# KiCad board Encoder_SPI_AS5047P_panel.kicad_pcb (continued)
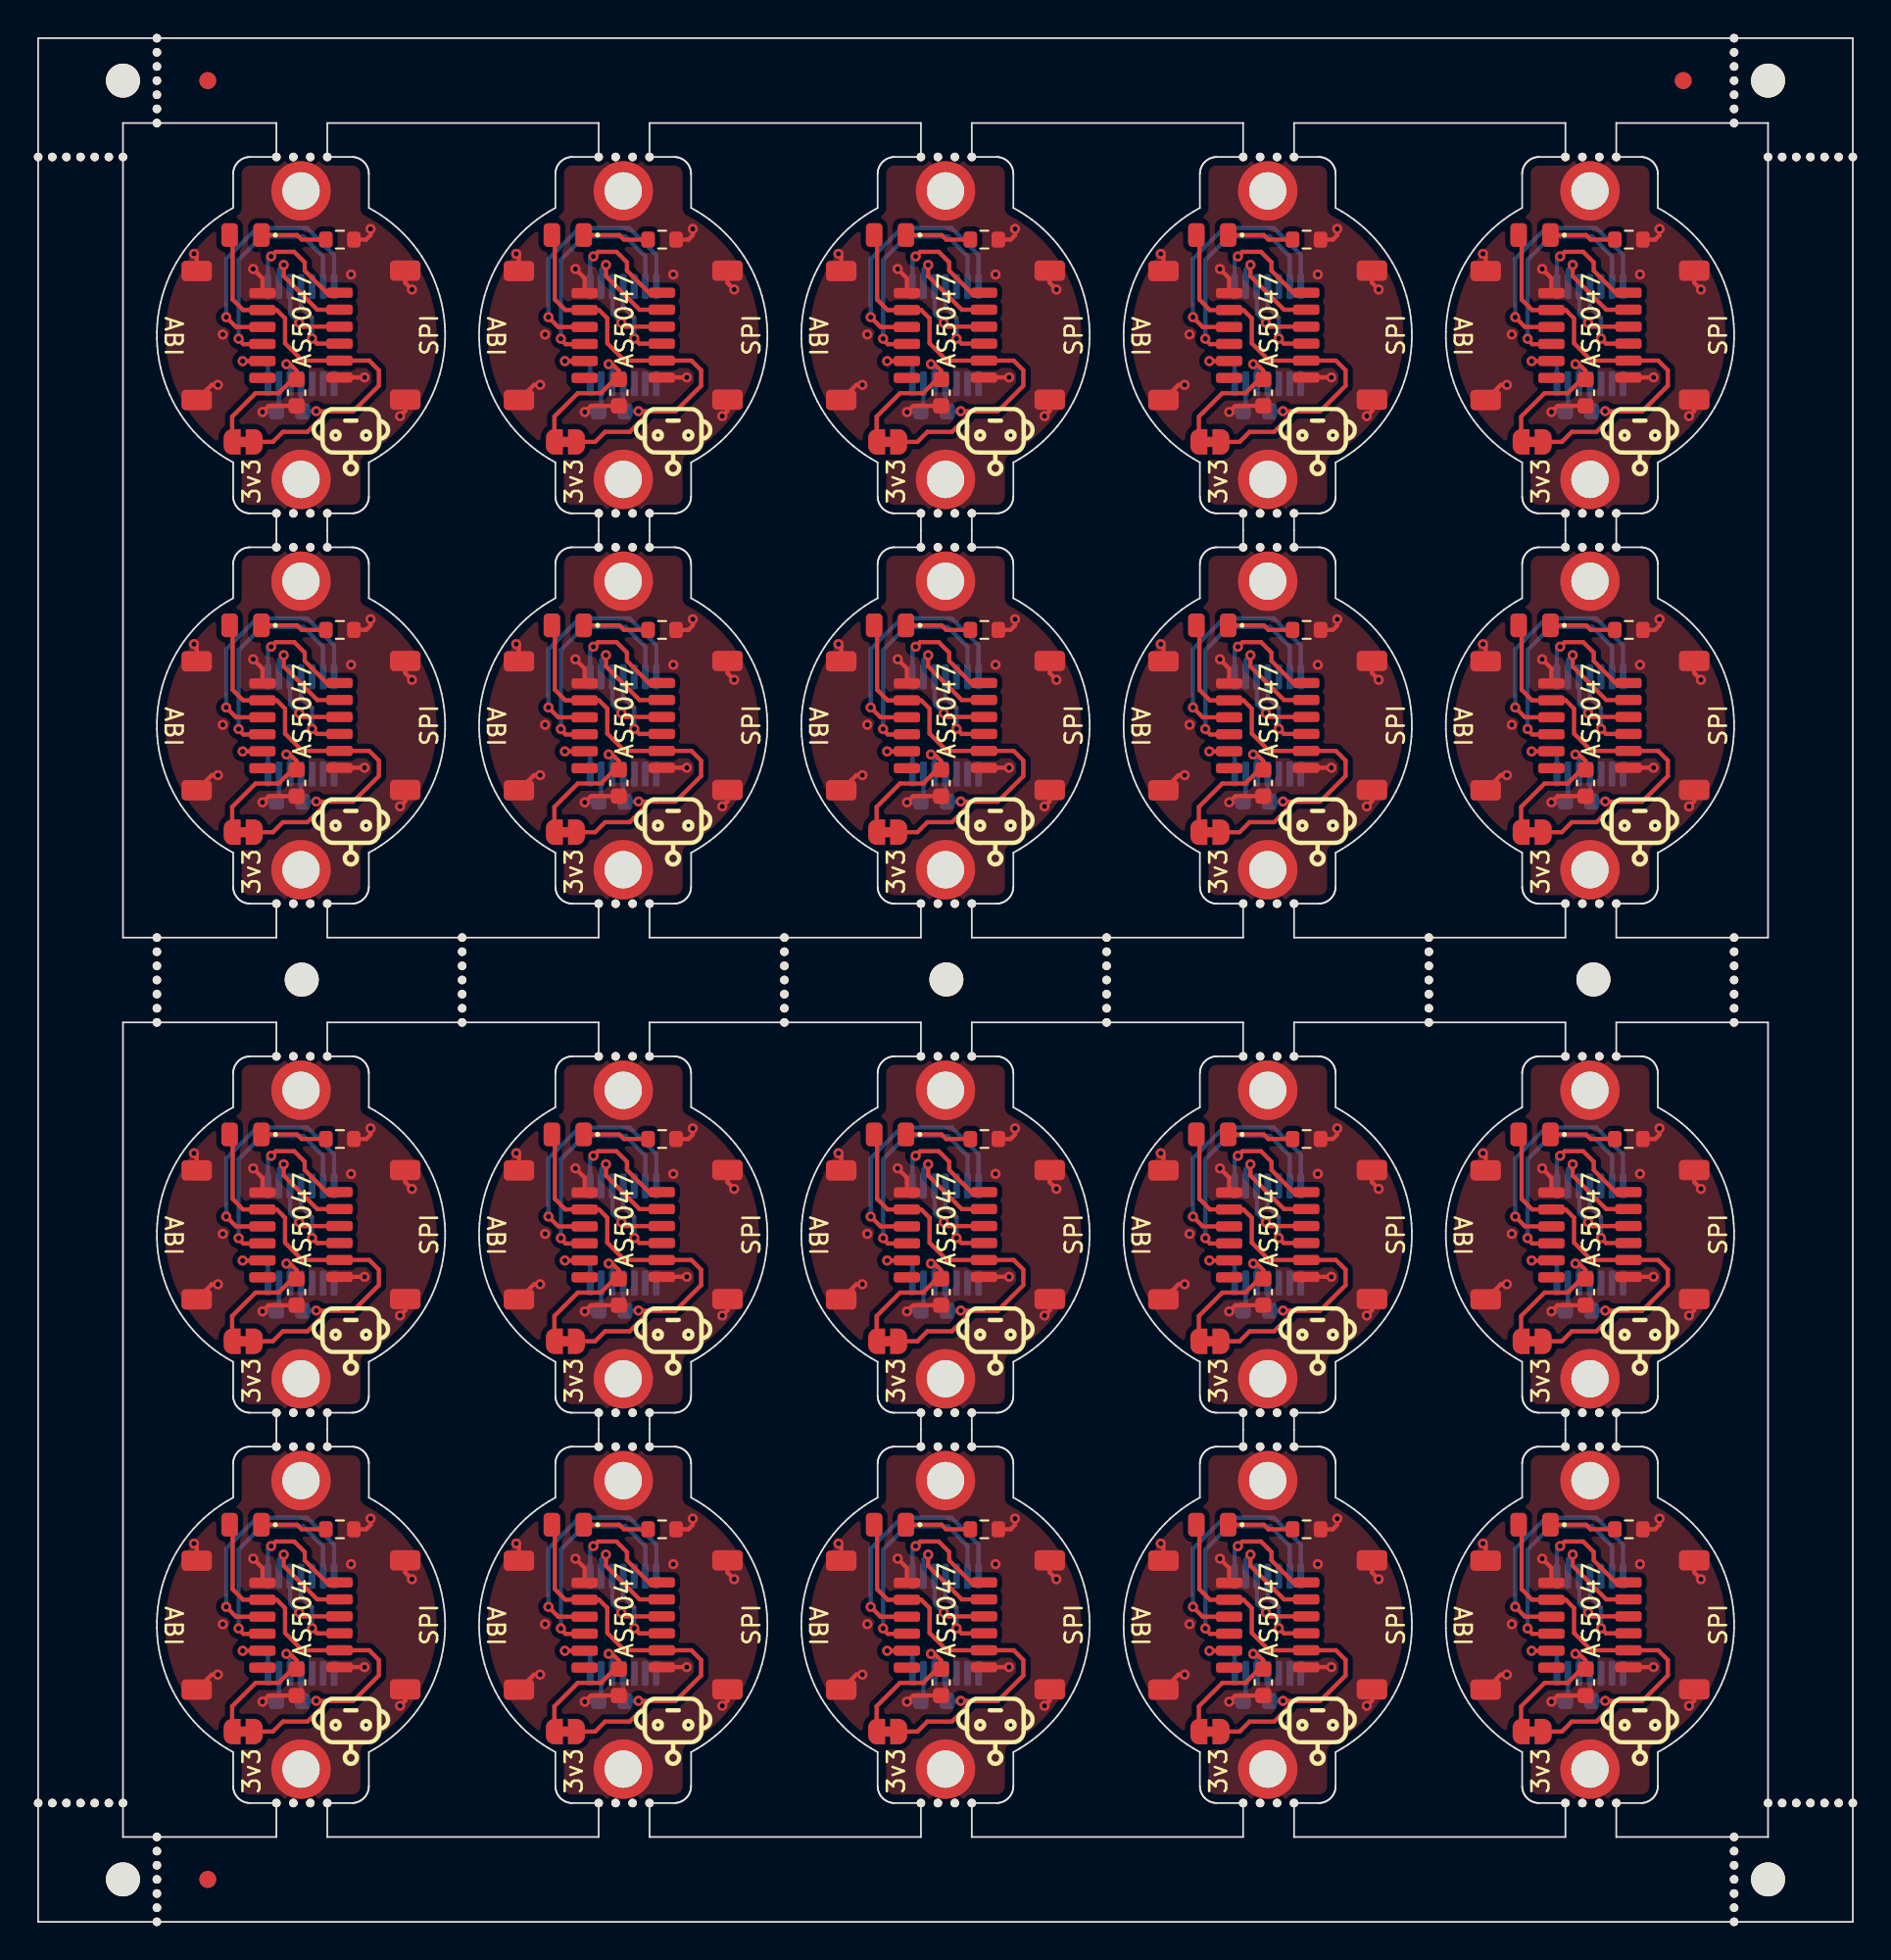
[diagram p0: board, top side]
## Routing (per net, layer and track width the routed paths; a pad name or vN(x,y) marks a point on that pad's centre or on a via; arc(x,y) is an arc through that point) (continued)
Board_2-Net-(D1-K): length 3.9
  Top w0.25: D1#19.1 53.27,99.4 53.54,99.13 R1#7.1
Board_2-VCC: length 27.8
  Top w0.25: D1#19.2 49.47,99.22 49.47,95.6 50.09,94.98 J2#7.2 52.07,94.98 52.56,94.49 52.56,93.02 53.58,92 J1#9.2 57.52,92 58.09,91.43 58.09,90.52 56.58,89.01 54.41,89.01 v1(54.4,89.02) ; 54.81,89.01 54.81,88.73 53.88,87.8 52.43,87.8 51.84,87.21 JP1#17.2
  Bottom w0.25: v1(54.4,89.02) 54.39,89.01 C2#5.2 53.5,89.11 U2#19.11
Board_3-/A: length 15.4
  Top w0.25: J2#15.3 68.67,93.98 v1(68.09,94.56)
  Bottom w0.25: U2#17.7 74.45,98.22 72.86,99.81 69.91,99.81 68.09,97.99 v1(68.09,94.56)
Board_3-/B: length 14
  Top w0.25: J2#15.4 70.21,92.97 69.1,92.97 68.82,93.25 v1(68.82,93.29)
  Bottom w0.25: v1(68.82,93.29) 68.82,97.94 70.19,99.31 72.63,99.31 73.8,98.14 U2#17.6
Board_3-/I: length 3.8
  Top w0.25: J2#15.5 70.21,91.97 v1(69.06,91.97)
  Bottom w0.25: U2#17.14 70.55,91.68 70.26,91.97 v1(69.06,91.97)
Board_3-/MISO: length 4.6
  Top w0.25: v1(72.39,94.23) 72.62,94 J1#10.4
  Bottom w0.25: 71.86,96.12 71.86,94.75 v1(72.39,94.23)
Board_3-/MOSI: length 5.1
  Top w0.25: v1(73.15,93.3) 73.45,93 J1#10.3
  Bottom w0.25: v1(73.15,93.3) 73.15,94.52 72.5,95.17 U2#17.4
Board_3-/nCS: length 7.3
  Top w0.25: J1#10.6 74.02,96 72.72,97.3 72.72,97.79 72.1,98.41 71.01,98.41 v1(70.74,98.14)
  Bottom w0.25: v1(70.74,98.14) 70.55,97.95 U2#17.1
Board_3-/SCK: length 6.2
  Top w0.25: v1(71.48,97.64) 71.48,96.98 73.46,95 J1#10.5
  Bottom w0.25: v1(71.48,97.64) 71.2,97.36 U2#17.2
Board_3-GND: length 14.9
  Top w0.25: J1#10.1 74.78,91.01 v1(76.25,91.01) ; v1(78.34,88.73) 78.64,89.03 J1#10.MP ; J2#15.MP 67.24,90.57 v1(67.6,90.57) ; J1#10.MP 78.64,96.59 v1(79.04,96.19) ; H1#18.1 72.09,85.41 ; J2#15.1 70.22,96.85 v1(69.68,97.4) ; v1(66.19,98.29) 66.35,98.13 J2#15.MP ; R1#4.2 76.34,99.13 76.6,99.39 v1(76.6,99.76) ; C1#5.1 70.59,89.34 v1(70.23,88.97)
  Bottom w0.25: U2#17.13 71.2,89.16 C2#18.1 71.01,88.97 v1(70.23,88.97)
  vias: v1(67.89,93.54) v1(75.45,97.08) v1(76.34,87.6)
Board_3-Net-(D1-K): length 3.9
  Top w0.25: R1#4.1 72.54,99.13 72.27,99.4 D1#12.1
Board_3-VCC: length 27.8
  Top w0.25: 73.81,89.01 73.81,88.73 72.88,87.8 71.43,87.8 70.84,87.21 JP1#8.2 ; v1(73.4,89.02) 73.41,89.01 75.58,89.01 77.09,90.52 77.09,91.43 76.52,92 J1#10.2 72.58,92 71.56,93.02 71.56,94.49 71.07,94.98 J2#15.2 69.09,94.98 68.47,95.6 68.47,99.22 D1#12.2
  Bottom w0.25: v1(73.4,89.02) 73.39,89.01 C2#18.2 72.5,89.11 U2#17.11
Board_4-/A: length 15.4
  Top w0.25: v1(87.09,94.56) 87.67,93.98 J2#2.3
  Bottom w0.25: U2#7.7 93.45,98.22 91.86,99.81 88.91,99.81 87.09,97.99 v1(87.09,94.56)
Board_4-/B: length 14
  Top w0.25: v1(87.82,93.29) 87.82,93.25 88.1,92.97 89.21,92.97 J2#2.4
  Bottom w0.25: v1(87.82,93.29) 87.82,97.94 89.19,99.31 91.63,99.31 92.8,98.14 U2#7.6
Board_4-/I: length 3.8
  Top w0.25: J2#2.5 89.21,91.97 v1(88.06,91.97)
  Bottom w0.25: v1(88.06,91.97) 89.26,91.97 89.55,91.68 U2#7.14
Board_4-/MISO: length 4.6
  Top w0.25: v1(91.39,94.23) 91.62,94 J1#14.4
  Bottom w0.25: 90.86,96.12 90.86,94.75 v1(91.39,94.23)
Board_4-/MOSI: length 5.1
  Top w0.25: v1(92.15,93.3) 92.45,93 J1#14.3
  Bottom w0.25: v1(92.15,93.3) 92.15,94.52 91.5,95.17 U2#7.4
Board_4-/nCS: length 7.3
  Top w0.25: J1#14.6 93.02,96 91.72,97.3 91.72,97.79 91.1,98.41 90.01,98.41 v1(89.74,98.14)
  Bottom w0.25: U2#7.1 89.55,97.95 v1(89.74,98.14)
Board_4-/SCK: length 6.2
  Top w0.25: v1(90.48,97.64) 90.48,96.98 92.46,95 J1#14.5
  Bottom w0.25: v1(90.48,97.64) 90.2,97.36 U2#7.2
Board_4-GND: length 14.9
  Top w0.25: J2#2.MP 85.35,98.13 v1(85.19,98.29) ; C1#15.1 89.59,89.34 v1(89.23,88.97) ; J1#14.MP 97.64,96.59 v1(98.04,96.19) ; R1#17.2 95.34,99.13 95.6,99.39 v1(95.6,99.76) ; J2#2.1 89.22,96.85 v1(88.68,97.4) ; v1(86.6,90.57) 86.24,90.57 J2#2.MP ; J1#14.MP 97.64,89.03 v1(97.34,88.73) ; J1#14.1 93.78,91.01 v1(95.25,91.01) ; H1#6.1 91.09,85.41
  Bottom w0.25: U2#7.13 90.2,89.16 C2.1 90.01,88.97 v1(89.23,88.97)
  vias: v1(86.89,93.54) v1(94.45,97.08) v1(95.34,87.6)
Board_4-Net-(D1-K): length 3.9
  Top w0.25: R1#17.1 91.54,99.13 91.27,99.4 D1#2.1
Board_4-VCC: length 27.8
  Top w0.25: 92.81,89.01 92.81,88.73 91.88,87.8 90.43,87.8 89.84,87.21 JP1.2 ; v1(92.4,89.02) 92.41,89.01 94.58,89.01 96.09,90.52 96.09,91.43 95.52,92 J1#14.2 91.58,92 90.56,93.02 90.56,94.49 90.07,94.98 J2#2.2 88.09,94.98 87.47,95.6 87.47,99.22 D1#2.2
  Bottom w0.25: U2#7.11 91.5,89.11 C2.2 92.39,89.01 v1(92.4,89.02)
Board_5-/A: length 15.4
  Top w0.25: J2#8.3 11.67,70.98 v1(11.09,71.56)
  Bottom w0.25: U2#6.7 17.45,75.22 15.86,76.81 12.91,76.81 11.09,74.99 v1(11.09,71.56)
Board_5-/B: length 14
  Top w0.25: J2#8.4 13.21,69.97 12.1,69.97 11.82,70.25 v1(11.82,70.29)
  Bottom w0.25: v1(11.82,70.29) 11.82,74.94 13.19,76.31 15.63,76.31 16.8,75.14 U2#6.6
Board_5-/I: length 3.8
  Top w0.25: J2#8.5 13.21,68.97 v1(12.06,68.97)
  Bottom w0.25: U2#6.14 13.55,68.68 13.26,68.97 v1(12.06,68.97)
Board_5-/MISO: length 4.6
  Top w0.25: v1(15.39,71.23) 15.62,71 J1#19.4
  Bottom w0.25: 14.86,73.12 14.86,71.75 v1(15.39,71.23)
Board_5-/MOSI: length 5.1
  Top w0.25: J1#19.3 16.45,70 v1(16.15,70.3)
  Bottom w0.25: v1(16.15,70.3) 16.15,71.52 15.5,72.17 U2#6.4
Board_5-/nCS: length 7.3
  Top w0.25: J1#19.6 17.02,73 15.72,74.3 15.72,74.79 15.1,75.41 14.01,75.41 v1(13.74,75.14)
  Bottom w0.25: U2#6.1 13.55,74.95 v1(13.74,75.14)
Board_5-/SCK: length 6.2
  Top w0.25: J1#19.5 16.46,72 14.48,73.98 v1(14.48,74.64)
  Bottom w0.25: U2#6.2 14.2,74.36 v1(14.48,74.64)
Board_5-GND: length 14.9
  Top w0.25: v1(13.23,65.97) 13.59,66.33 C1#11.1 ; v1(9.19,75.29) 9.35,75.13 J2#8.MP ; J1#19.MP 21.64,66.03 v1(21.34,65.73) ; J2#8.1 13.22,73.85 v1(12.68,74.4) ; v1(19.6,76.76) 19.6,76.39 19.34,76.13 R1#14.2 ; H1#3.1 15.09,62.41 ; J1#19.1 17.78,68.01 v1(19.25,68.01) ; v1(10.6,67.57) 10.24,67.57 J2#8.MP ; v1(22.04,73.19) 21.64,73.59 J1#19.MP
  Bottom w0.25: U2#6.13 14.2,66.16 C2#3.1 14.01,65.97 v1(13.23,65.97)
  vias: v1(10.89,70.54) v1(18.45,74.08) v1(19.34,64.6)
Board_5-Net-(D1-K): length 3.9
  Top w0.25: D1#18.1 15.27,76.4 15.54,76.13 R1#14.1
Board_5-VCC: length 27.8
  Top w0.25: 16.81,66.01 16.81,65.73 15.88,64.8 14.43,64.8 13.84,64.21 JP1#18.2 ; v1(16.4,66.02) 16.41,66.01 18.58,66.01 20.09,67.52 20.09,68.43 19.52,69 J1#19.2 15.58,69 14.56,70.02 14.56,71.49 14.07,71.98 J2#8.2 12.09,71.98 11.47,72.6 11.47,76.22 D1#18.2
  Bottom w0.25: v1(16.4,66.02) 16.39,66.01 C2#3.2 15.5,66.11 U2#6.11
Board_6-/A: length 15.4
  Top w0.25: J2#5.3 30.67,70.98 v1(30.09,71.56)
  Bottom w0.25: U2#15.7 36.45,75.22 34.86,76.81 31.91,76.81 30.09,74.99 v1(30.09,71.56)
Board_6-/B: length 14
  Top w0.25: J2#5.4 32.21,69.97 31.1,69.97 30.82,70.25 v1(30.82,70.29)
  Bottom w0.25: U2#15.6 35.8,75.14 34.63,76.31 32.19,76.31 30.82,74.94 v1(30.82,70.29)
Board_6-/I: length 3.8
  Top w0.25: J2#5.5 32.21,68.97 v1(31.06,68.97)
  Bottom w0.25: v1(31.06,68.97) 32.26,68.97 32.55,68.68 U2#15.14
Board_6-/MISO: length 4.6
  Top w0.25: v1(34.39,71.23) 34.62,71 J1#2.4
  Bottom w0.25: 33.86,73.12 33.86,71.75 v1(34.39,71.23)
Board_6-/MOSI: length 5.1
  Top w0.25: v1(35.15,70.3) 35.45,70 J1#2.3
  Bottom w0.25: v1(35.15,70.3) 35.15,71.52 34.5,72.17 U2#15.4
Board_6-/nCS: length 7.3
  Top w0.25: J1#2.6 36.02,73 34.72,74.3 34.72,74.79 34.1,75.41 33.01,75.41 v1(32.74,75.14)
  Bottom w0.25: v1(32.74,75.14) 32.55,74.95 U2#15.1
Board_6-/SCK: length 6.2
  Top w0.25: v1(33.48,74.64) 33.48,73.98 35.46,72 J1#2.5
  Bottom w0.25: U2#15.2 33.2,74.36 v1(33.48,74.64)
Board_6-GND: length 14.9
  Top w0.25: v1(32.23,65.97) 32.59,66.33 C1#10.1 ; R1#11.2 38.34,76.13 38.6,76.39 v1(38.6,76.76) ; v1(41.04,73.19) 40.64,73.59 J1#2.MP ; v1(38.25,68.01) 36.78,68.01 J1#2.1 ; v1(40.34,65.73) 40.64,66.03 J1#2.MP ; v1(31.68,74.4) 32.22,73.85 J2#5.1 ; J2#5.MP 28.35,75.13 v1(28.19,75.29) ; v1(29.6,67.57) 29.24,67.57 J2#5.MP ; H1#17.1 34.09,62.41
  Bottom w0.25: v1(32.23,65.97) 33.01,65.97 C2#20.1 33.2,66.16 U2#15.13
  vias: v1(29.89,70.54) v1(37.45,74.08) v1(38.34,64.6)
Board_6-Net-(D1-K): length 3.9
  Top w0.25: R1#11.1 34.54,76.13 34.27,76.4 D1#5.1
Board_6-VCC: length 27.8
  Top w0.25: D1#5.2 30.47,76.22 30.47,72.6 31.09,71.98 J2#5.2 33.07,71.98 33.56,71.49 33.56,70.02 34.58,69 J1#2.2 38.52,69 39.09,68.43 39.09,67.52 37.58,66.01 35.41,66.01 v1(35.4,66.02) ; 35.81,66.01 35.81,65.73 34.88,64.8 33.43,64.8 32.84,64.21 JP1#3.2
  Bottom w0.25: U2#15.11 34.5,66.11 C2#20.2 35.39,66.01 v1(35.4,66.02)
Board_7-/A: length 15.4
  Top w0.25: J2#16.3 49.67,70.98 v1(49.09,71.56)
  Bottom w0.25: v1(49.09,71.56) 49.09,74.99 50.91,76.81 53.86,76.81 55.45,75.22 U2#9.7
Board_7-/B: length 14
  Top w0.25: v1(49.82,70.29) 49.82,70.25 50.1,69.97 51.21,69.97 J2#16.4
  Bottom w0.25: v1(49.82,70.29) 49.82,74.94 51.19,76.31 53.63,76.31 54.8,75.14 U2#9.6
Board_7-/I: length 3.8
  Top w0.25: v1(50.06,68.97) 51.21,68.97 J2#16.5
  Bottom w0.25: v1(50.06,68.97) 51.26,68.97 51.55,68.68 U2#9.14
Board_7-/MISO: length 4.6
  Top w0.25: v1(53.39,71.23) 53.62,71 J1#12.4
  Bottom w0.25: v1(53.39,71.23) 52.86,71.75 52.86,73.12
Board_7-/MOSI: length 5.1
  Top w0.25: J1#12.3 54.45,70 v1(54.15,70.3)
  Bottom w0.25: v1(54.15,70.3) 54.15,71.52 53.5,72.17 U2#9.4
Board_7-/nCS: length 7.3
  Top w0.25: J1#12.6 55.02,73 53.72,74.3 53.72,74.79 53.1,75.41 52.01,75.41 v1(51.74,75.14)
  Bottom w0.25: v1(51.74,75.14) 51.55,74.95 U2#9.1
Board_7-/SCK: length 6.2
  Top w0.25: J1#12.5 54.46,72 52.48,73.98 v1(52.48,74.64)
  Bottom w0.25: v1(52.48,74.64) 52.2,74.36 U2#9.2
Board_7-GND: length 14.9
  Top w0.25: C1#12.1 51.59,66.33 v1(51.23,65.97) ; v1(50.68,74.4) 51.22,73.85 J2#16.1 ; J1#12.MP 59.64,73.59 v1(60.04,73.19) ; v1(47.19,75.29) 47.35,75.13 J2#16.MP ; v1(57.6,76.76) 57.6,76.39 57.34,76.13 56.61,76.13 ; v1(59.34,65.73) 59.64,66.03 J1#12.MP ; H1#14.1 53.09,62.41 ; v1(57.25,68.01) 55.78,68.01 J1#12.1 ; v1(48.6,67.57) 48.24,67.57 J2#16.MP
  Bottom w0.25: v1(51.23,65.97) 52.01,65.97 C2#10.1 52.2,66.16 U2#9.13
  vias: v1(48.89,70.54) v1(56.45,74.08) v1(57.34,64.6)
Board_7-Net-(D1-K): length 3.9
  Top w0.25: R1#15.1 53.54,76.13 53.27,76.4 D1#9.1
Board_7-VCC: length 27.8
  Top w0.25: 54.81,66.01 54.81,65.73 53.88,64.8 52.43,64.8 51.84,64.21 JP1#10.2 ; v1(54.4,66.02) 54.41,66.01 56.58,66.01 58.09,67.52 58.09,68.43 57.52,69 J1#12.2 53.58,69 52.56,70.02 52.56,71.49 52.07,71.98 J2#16.2 50.09,71.98 49.47,72.6 49.47,76.22 D1#9.2
  Bottom w0.25: v1(54.4,66.02) 54.39,66.01 C2#10.2 53.5,66.11 U2#9.11
Board_8-/A: length 15.4
  Top w0.25: v1(68.09,71.56) 68.67,70.98 J2#20.3
  Bottom w0.25: U2#16.7 74.45,75.22 72.86,76.81 69.91,76.81 68.09,74.99 v1(68.09,71.56)
Board_8-/B: length 14
  Top w0.25: J2#20.4 70.21,69.97 69.1,69.97 68.82,70.25 v1(68.82,70.29)
  Bottom w0.25: v1(68.82,70.29) 68.82,74.94 70.19,76.31 72.63,76.31 73.8,75.14 U2#16.6
Board_8-/I: length 3.8
  Top w0.25: v1(69.06,68.97) 70.21,68.97 J2#20.5
  Bottom w0.25: U2#16.14 70.55,68.68 70.26,68.97 v1(69.06,68.97)
Board_8-/MISO: length 4.6
  Top w0.25: J1#3.4 72.62,71 v1(72.39,71.23)
  Bottom w0.25: 71.86,73.12 71.86,71.75 v1(72.39,71.23)
Board_8-/MOSI: length 5.1
  Top w0.25: v1(73.15,70.3) 73.45,70 J1#3.3
  Bottom w0.25: U2#16.4 72.5,72.17 73.15,71.52 v1(73.15,70.3)
Board_8-/nCS: length 7.3
  Top w0.25: v1(70.74,75.14) 71.01,75.41 72.1,75.41 72.72,74.79 72.72,74.3 74.02,73 J1#3.6
  Bottom w0.25: v1(70.74,75.14) 70.55,74.95 U2#16.1
Board_8-/SCK: length 6.2
  Top w0.25: J1#3.5 73.46,72 71.48,73.98 v1(71.48,74.64)
  Bottom w0.25: v1(71.48,74.64) 71.2,74.36 U2#16.2
Board_8-GND: length 14.9
  Top w0.25: R1#13.2 76.34,76.13 76.6,76.39 v1(76.6,76.76) ; C1#14.1 70.59,66.33 v1(70.23,65.97) ; J1#3.MP 78.64,66.03 v1(78.34,65.73) ; J2#20.MP 66.35,75.13 v1(66.19,75.29) ; v1(79.04,73.19) 78.64,73.59 J1#3.MP ; v1(76.25,68.01) 74.78,68.01 J1#3.1 ; v1(69.68,74.4) 70.22,73.85 J2#20.1 ; H1#15.1 72.09,62.41 ; v1(67.6,67.57) 67.24,67.57 J2#20.MP
  Bottom w0.25: v1(70.23,65.97) 71.01,65.97 C2#11.1 71.2,66.16 U2#16.13
  vias: v1(67.89,70.54) v1(75.45,74.08) v1(76.34,64.6)
Board_8-Net-(D1-K): length 3.9
  Top w0.25: D1#20.1 72.27,76.4 72.54,76.13 R1#13.1
Board_8-VCC: length 27.8
  Top w0.25: D1#20.2 68.47,76.22 68.47,72.6 69.09,71.98 J2#20.2 71.07,71.98 71.56,71.49 71.56,70.02 72.58,69 J1#3.2 76.52,69 77.09,68.43 77.09,67.52 75.58,66.01 73.41,66.01 v1(73.4,66.02) ; 73.81,66.01 73.81,65.73 72.88,64.8 71.43,64.8 70.84,64.21 JP1#13.2
  Bottom w0.25: U2#16.11 72.5,66.11 C2#11.2 73.39,66.01 v1(73.4,66.02)
Board_9-/A: length 15.4
  Top w0.25: v1(87.09,71.56) 87.67,70.98 J2#12.3
  Bottom w0.25: U2#18.7 93.45,75.22 91.86,76.81 88.91,76.81 87.09,74.99 v1(87.09,71.56)
Board_9-/B: length 14
  Top w0.25: v1(87.82,70.29) 87.82,70.25 88.1,69.97 89.21,69.97 J2#12.4
  Bottom w0.25: U2#18.6 92.8,75.14 91.63,76.31 89.19,76.31 87.82,74.94 v1(87.82,70.29)
Board_9-/I: length 3.8
  Top w0.25: v1(88.06,68.97) 89.21,68.97 J2#12.5
  Bottom w0.25: v1(88.06,68.97) 89.26,68.97 89.55,68.68 U2#18.14
Board_9-/MISO: length 4.6
  Top w0.25: J1#7.4 91.62,71 v1(91.39,71.23)
  Bottom w0.25: 90.86,73.12 90.86,71.75 v1(91.39,71.23)
Board_9-/MOSI: length 5.1
  Top w0.25: v1(92.15,70.3) 92.45,70 J1#7.3
  Bottom w0.25: U2#18.4 91.5,72.17 92.15,71.52 v1(92.15,70.3)
Board_9-/nCS: length 7.3
  Top w0.25: v1(89.74,75.14) 90.01,75.41 91.1,75.41 91.72,74.79 91.72,74.3 93.02,73 J1#7.6
  Bottom w0.25: v1(89.74,75.14) 89.55,74.95 U2#18.1
Board_9-/SCK: length 6.2
  Top w0.25: v1(90.48,74.64) 90.48,73.98 92.46,72 J1#7.5
  Bottom w0.25: v1(90.48,74.64) 90.2,74.36 U2#18.2
Board_9-GND: length 14.9
  Top w0.25: v1(89.23,65.97) 89.59,66.33 C1#20.1 ; v1(88.68,74.4) 89.22,73.85 J2#12.1 ; R1#5.2 95.34,76.13 95.6,76.39 v1(95.6,76.76) ; v1(95.25,68.01) 93.78,68.01 J1#7.1 ; H1#9.1 91.09,62.41 ; v1(85.19,75.29) 85.35,75.13 J2#12.MP ; J1#7.MP 97.64,73.59 v1(98.04,73.19) ; J2#12.MP 86.24,67.57 v1(86.6,67.57) ; J1#7.MP 97.64,66.03 v1(97.34,65.73)
  Bottom w0.25: v1(89.23,65.97) 90.01,65.97 C2#13.1 90.2,66.16 U2#18.13
  vias: v1(86.89,70.54) v1(94.45,74.08) v1(95.34,64.6)
Board_9-Net-(D1-K): length 3.9
  Top w0.25: D1#11.1 91.27,76.4 91.54,76.13 R1#5.1
Board_9-VCC: length 27.8
  Top w0.25: D1#11.2 87.47,76.22 87.47,72.6 88.09,71.98 J2#12.2 90.07,71.98 90.56,71.49 90.56,70.02 91.58,69 J1#7.2 95.52,69 96.09,68.43 96.09,67.52 94.58,66.01 92.41,66.01 v1(92.4,66.02) ; JP1#5.2 89.84,64.21 90.43,64.8 91.88,64.8 92.81,65.73 92.81,66.01
  Bottom w0.25: U2#18.11 91.5,66.11 C2#13.2 92.39,66.01 v1(92.4,66.02)
Board_10-/A: length 15.4
  Top w0.25: J2#19.3 11.67,40.98 v1(11.09,41.56)
  Bottom w0.25: v1(11.09,41.56) 11.09,44.99 12.91,46.81 15.86,46.81 17.45,45.22 U2#2.7
Board_10-/B: length 14
  Top w0.25: v1(11.82,40.29) 11.82,40.25 12.1,39.97 13.21,39.97 J2#19.4
  Bottom w0.25: U2#2.6 16.8,45.14 15.63,46.31 13.19,46.31 11.82,44.94 v1(11.82,40.29)
Board_10-/I: length 3.8
  Top w0.25: J2#19.5 13.21,38.97 v1(12.06,38.97)
  Bottom w0.25: v1(12.06,38.97) 13.26,38.97 13.55,38.68 U2#2.14
Board_10-/MISO: length 4.6
  Top w0.25: v1(15.39,41.23) 15.62,41 J1#8.4
  Bottom w0.25: v1(15.39,41.23) 14.86,41.75 14.86,43.12
Board_10-/MOSI: length 5.1
  Top w0.25: v1(16.15,40.3) 16.45,40 J1#8.3
  Bottom w0.25: U2#2.4 15.5,42.17 16.15,41.52 v1(16.15,40.3)
Board_10-/nCS: length 7.3
  Top w0.25: J1#8.6 17.02,43 15.72,44.3 15.72,44.79 15.1,45.41 14.01,45.41 v1(13.74,45.14)
  Bottom w0.25: v1(13.74,45.14) 13.55,44.95 U2#2.1
Board_10-/SCK: length 6.2
  Top w0.25: J1#8.5 16.46,42 14.48,43.98 v1(14.48,44.64)
  Bottom w0.25: v1(14.48,44.64) 14.2,44.36 U2#2.2
Board_10-GND: length 14.9
  Top w0.25: v1(19.25,38.01) 17.78,38.01 J1#8.1 ; v1(12.68,44.4) 13.22,43.86 J2#19.1 ; C1#9.1 13.59,36.33 v1(13.23,35.97) ; v1(21.34,35.73) 21.64,36.03 J1#8.MP ; H1#4.1 15.09,32.41 ; v1(19.6,46.76) 19.6,46.39 19.34,46.13 R1#16.2 ; v1(10.6,37.57) 10.24,37.57 J2#19.MP ; v1(9.19,45.29) 9.35,45.13 J2#19.MP ; J1#8.MP 21.64,43.58 v1(22.04,43.19)
  Bottom w0.25: U2#2.13 14.2,36.16 C2#16.1 14.01,35.97 v1(13.23,35.97)
  vias: v1(10.89,40.54) v1(18.45,44.08) v1(19.34,34.6)
Board_10-Net-(D1-K): length 3.9
  Top w0.25: D1#13.1 15.27,46.4 15.54,46.13 R1#16.1
Board_10-VCC: length 27.8
  Top w0.25: 16.81,36.01 16.81,35.73 15.88,34.8 14.43,34.8 13.84,34.21 JP1#12.2 ; v1(16.4,36.02) 16.41,36.01 18.58,36.01 20.09,37.52 20.09,38.43 19.52,39 J1#8.2 15.58,39 14.56,40.02 14.56,41.49 14.07,41.98 J2#19.2 12.09,41.98 11.47,42.6 11.47,46.22 D1#13.2
  Bottom w0.25: v1(16.4,36.02) 16.39,36.01 C2#16.2 15.5,36.11 U2#2.11
Board_11-/A: length 15.4
  Top w0.25: v1(30.09,41.56) 30.67,40.98 J2.3
  Bottom w0.25: v1(30.09,41.56) 30.09,44.99 31.91,46.81 34.86,46.81 36.45,45.22 U2.7
Board_11-/B: length 14
  Top w0.25: v1(30.82,40.29) 30.82,40.25 31.1,39.97 32.21,39.97 J2.4
  Bottom w0.25: v1(30.82,40.29) 30.82,44.94 32.19,46.31 34.63,46.31 35.8,45.14 U2.6
Board_11-/I: length 3.8
  Top w0.25: J2.5 32.21,38.97 v1(31.06,38.97)
  Bottom w0.25: U2.14 32.55,38.68 32.26,38.97 v1(31.06,38.97)
Board_11-/MISO: length 4.6
  Top w0.25: J1#4.4 34.62,41 v1(34.39,41.23)
  Bottom w0.25: 33.86,43.12 33.86,41.75 v1(34.39,41.23)
Board_11-/MOSI: length 5.1
  Top w0.25: v1(35.15,40.3) 35.45,40 J1#4.3
  Bottom w0.25: v1(35.15,40.3) 35.15,41.52 34.5,42.17 U2.4
Board_11-/nCS: length 7.3
  Top w0.25: v1(32.74,45.14) 33.01,45.41 34.1,45.41 34.72,44.79 34.72,44.3 36.02,43 J1#4.6
  Bottom w0.25: U2.1 32.55,44.95 v1(32.74,45.14)
Board_11-/SCK: length 6.2
  Top w0.25: J1#4.5 35.46,42 33.48,43.98 v1(33.48,44.64)
  Bottom w0.25: v1(33.48,44.64) 33.2,44.36 U2.2
Board_11-GND: length 14.9
  Top w0.25: v1(40.34,35.73) 40.64,36.03 J1#4.MP ; v1(28.19,45.29) 28.35,45.13 J2.MP ; C1.1 32.59,36.33 v1(32.23,35.97) ; H1#7.1 34.09,32.41 ; v1(38.25,38.01) 36.78,38.01 J1#4.1 ; J1#4.MP 40.64,43.58 v1(41.04,43.19) ; R1#18.2 38.34,46.13 38.6,46.39 v1(38.6,46.76) ; v1(29.6,37.57) 29.24,37.57 J2.MP ; J2.1 32.22,43.86 v1(31.68,44.4)
  Bottom w0.25: U2.13 33.2,36.16 C2#14.1 33.01,35.97 v1(32.23,35.97)
  vias: v1(29.89,40.54) v1(37.45,44.08) v1(38.34,34.6)
Board_11-Net-(D1-K): length 3.9
  Top w0.25: R1#18.1 34.54,46.13 34.27,46.4 D1#8.1
Board_11-VCC: length 27.8
  Top w0.25: 35.81,36.01 35.81,35.73 34.88,34.8 33.43,34.8 32.84,34.21 JP1#14.2 ; D1#8.2 30.47,46.22 30.47,42.6 31.09,41.98 J2.2 33.07,41.98 33.56,41.49 33.56,40.02 34.58,39 J1#4.2 38.52,39 39.09,38.43 39.09,37.52 37.58,36.01 35.41,36.01 v1(35.4,36.02)
  Bottom w0.25: U2.11 34.5,36.11 C2#14.2 35.39,36.01 v1(35.4,36.02)
Board_12-/A: length 15.4
  Top w0.25: J2#6.3 49.67,40.98 v1(49.09,41.56)
  Bottom w0.25: U2#3.7 55.45,45.22 53.86,46.81 50.91,46.81 49.09,44.99 v1(49.09,41.56)
Board_12-/B: length 14
  Top w0.25: J2#6.4 51.21,39.97 50.1,39.97 49.82,40.25 v1(49.82,40.29)
  Bottom w0.25: U2#3.6 54.8,45.14 53.63,46.31 51.19,46.31 49.82,44.94 v1(49.82,40.29)